# KiCad board Riptide.kicad_pcb (continued)
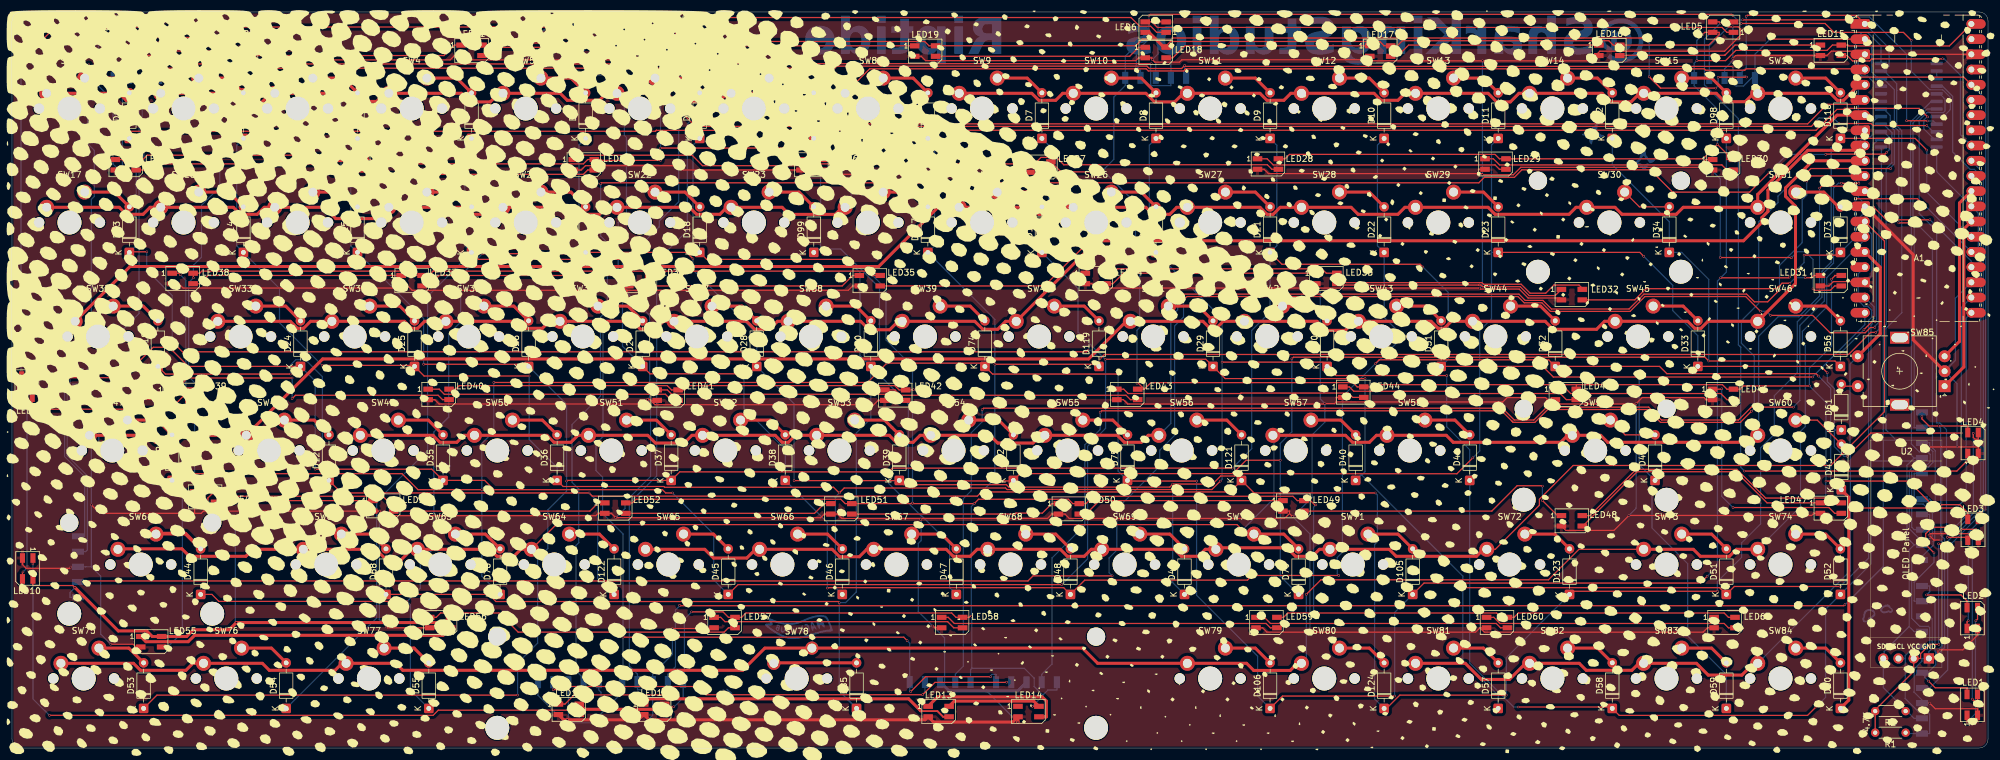
[diagram p0: board, top side]
## Footprints (pads in the part's own frame, mm; a bottom-side part is the same pattern mirrored in y, then rotated) (continued)
  round 2.2 hole 1.5: 1(2.54,5.08) 2(-3.81,2.54)
SW_Cherry_MX_PCB_1.00u
  round 1.75 hole 1.75 unplated: (-5.08,0) (5.08,0)
  round 4 hole 4 unplated: (0,0)
  round 2.5 hole 1.5: 1(-3.81,2.54) 2(2.54,5.08)
SW_Cherry_MX_PCB_1.25u
  round 1.75 hole 1.75 unplated: (-5.08,0) (5.08,0)
  round 4 hole 4 unplated: (0,0)
  round 2.5 hole 1.5: 1(-3.81,2.54) 2(2.54,5.08)
SW_Cherry_MX_PCB_1.50u
  round 1.75 hole 1.75 unplated: (-5.08,0) (5.08,0)
  round 4 hole 4 unplated: (0,0)
  round 2.5 hole 1.5: 1(-3.81,2.54) 2(2.54,5.08)
SW_Cherry_MX_PCB_1.75u
  round 1.75 hole 1.75 unplated: (-5.08,0) (5.08,0)
  round 4 hole 4 unplated: (0,0)
  round 2.5 hole 1.5: 1(-3.81,2.54) 2(2.54,5.08)
SW_Cherry_MX_PCB_2.00u
  round 3.048 hole 3.048 unplated: (-11.938,6.985) (11.938,6.985)
  round 3.988 hole 3.988 unplated: (-11.938,-8.225) (11.938,-8.225)
  round 1.75 hole 1.75 unplated: (-5.08,0) (5.08,0)
  round 4 hole 4 unplated: (0,0)
  round 2.5 hole 1.5: 1(-3.81,2.54) 2(2.54,5.08)
SW_Cherry_MX_PCB_2.25u
  round 3.048 hole 3.048 unplated: (-11.938,6.985) (11.938,6.985)
  round 3.988 hole 3.988 unplated: (-11.938,-8.225) (11.938,-8.225)
  round 1.75 hole 1.75 unplated: (-5.08,0) (5.08,0)
  round 4 hole 4 unplated: (0,0)
  round 2.5 hole 1.5: 1(-3.81,2.54) 2(2.54,5.08)

## Nets
+3.3V: A1.36 R1.2 R2.2 U1.24 U2.2
+5V: A1.40 H1.1 H2.1 H3.1 H4.1 H5.1 H6.1 H7.1 H8.1 H9.1 H10.1 H11.1 H12.1 H13.1 H14.1 LED1.4 LED2.4 LED3.4 LED4.4 LED5.4 LED6.4 LED7.4 LED8.4 LED9.4 LED10.4 LED11.4 LED12.4 LED13.4 LED14.4 LED15.4 LED16.4 LED17.4 LED18.4 LED19.4 LED20.4 LED21.4 LED22.4 LED23.4 LED24.4 LED25.4 LED26.4 LED27.4 LED28.4 LED29.4 LED30.4 LED31.4 LED32.4 LED33.4 LED34.4 LED35.4 LED36.4 LED37.4 LED38.4 LED39.4 LED40.4 LED41.4 LED42.4 LED43.4 LED44.4 LED45.4 LED46.4 LED47.4 LED48.4 LED49.4 LED50.4 LED51.4 LED52.4 LED53.4 LED54.4 LED55.4 LED56.4 LED57.4 LED58.4 LED59.4 LED60.4 LED61.4
GND: A1.3 A1.8 A1.13 A1.18 A1.23 A1.28 A1.38 H1.3 H2.3 H3.3 H4.3 H5.3 H6.3 H7.3 H8.3 H9.3 H10.3 H11.3 H12.3 H13.3 H14.3 LED1.2 LED2.2 LED3.2 LED4.2 LED5.2 LED6.2 LED7.2 LED8.2 LED9.2 LED10.2 LED11.2 LED12.2 LED13.2 LED14.2 LED15.2 LED16.2 LED17.2 LED18.2 LED19.2 LED20.2 LED21.2 LED22.2 LED23.2 LED24.2 LED25.2 LED26.2 LED27.2 LED28.2 LED29.2 LED30.2 LED31.2 LED32.2 LED33.2 LED34.2 LED35.2 LED36.2 LED37.2 LED38.2 LED39.2 LED40.2 LED41.2 LED42.2 LED43.2 LED44.2 LED45.2 LED46.2 LED47.2 LED48.2 LED49.2 LED50.2 LED51.2 LED52.2 LED53.2 LED54.2 LED55.2 LED56.2 LED57.2 LED58.2 LED59.2 LED60.2 LED61.2 SW85.C U1.2 U1.3 U1.12 U1.21 U2.1
Column 0: A1.4 SW1.1 SW2.1 SW3.1 SW4.1 SW5.1 SW6.1 SW7.1 SW8.1
Column 1: A1.5 SW9.1 SW10.1 SW11.1 SW12.1 SW13.1 SW14.1 SW15.1 SW16.1
Column 2: A1.6 SW17.1 SW18.1 SW19.1 SW20.1 SW21.1 SW22.1 SW23.1 SW24.1
Column 3: A1.7 SW25.1 SW26.1 SW27.1 SW28.1 SW29.1 SW30.1 SW31.1 SW32.1
Column 4: A1.9 SW33.1 SW34.1 SW35.1 SW36.1 SW37.1 SW38.1 SW39.1 SW40.1
Column 5: A1.10 SW41.1 SW42.1 SW43.1 SW44.1 SW45.1 SW46.1 SW47.1 SW48.1
Column 6: A1.11 SW49.1 SW50.1 SW51.1 SW52.1 SW53.1 SW54.1 SW55.1 SW56.1
Column 7: A1.12 SW57.1 SW58.1 SW59.1 SW60.1 SW61.1 SW62.1 SW63.1 SW64.1
Column 8: A1.14 SW65.1 SW66.1 SW67.1 SW68.1 SW69.1 SW70.1 SW71.1 SW72.1
Column 9: A1.15 SW73.1 SW74.1 SW75.1 SW76.1 SW77.1 SW78.1 SW79.1 SW80.1
Column 10: A1.16 SW81.1 SW82.1 SW83.1 SW84.1 SW85.S1
EN 1: H1.2 U1.4
EN 2: H2.2 U1.5
EN 3: H3.2 U1.6
EN 4: H4.2 U1.7
EN 5: H5.2 U1.8
EN 6: H6.2 U1.9
EN 7: H7.2 U1.10
EN 8: H8.2 U1.11
EN 9: H9.2 U1.13
EN 10: H10.2 U1.14
EN 11: H11.2 U1.15
EN 12: H12.2 U1.16
EN 13: H13.2 U1.17
EN 14: H14.2 U1.18
Encoder A: A1.27 SW85.A
Encoder B: A1.29 SW85.B
Encoder SW 2: D61.2 SW85.S2
LED Glow Data: A1.32 LED15.3
LED Indicator Data: A1.31 LED1.3
Row 0: A1.17 D1.1 D7.1 D13.1 D19.1 D24.1 D29.1 D35.1 D40.1 D45.1 D51.1 D57.1
Row 1: A1.19 D2.1 D8.1 D14.1 D20.1 D25.1 D30.1 D36.1 D41.1 D46.1 D52.1 D58.1
Row 2: A1.20 D3.1 D9.1 D15.1 D21.1 D26.1 D31.1 D37.1 D42.1 D47.1 D53.1 D59.1
Row 3: A1.21 D4.1 D10.1 D16.1 D22.1 D27.1 D32.1 D38.1 D43.1 D48.1 D54.1 D60.1
Row 4: A1.22 D5.1 D11.1 D17.1 D23.1 D28.1 D33.1 D39.1 D44.1 D49.1 D55.1 D61.1
Row 5: A1.24 D6.1 D12.1 D18.1 D34.1 D50.1 D56.1 D62.1 D68.1 D79.1 D85.1
Row 6: A1.25 D73.1 D74.1 D75.1 D76.1 D97.1 D98.1 D99.1 D102.1 D105.1 D106.1
Row 7: A1.26 D115.1 D116.1 D117.1 D118.1 D119.1 D120.1 D121.1 D122.1 D123.1 D124.1
SCL: A1.2 H1.5 H2.5 H3.5 H4.5 H5.5 H6.5 H7.5 H8.5 H9.5 H10.5 H11.5 H12.5 H13.5 H14.5 R1.1 U1.22 U2.3
SDA: A1.1 H1.4 H2.4 H3.4 H4.4 H5.4 H6.4 H7.4 H8.4 H9.4 H10.4 H11.4 H12.4 H13.4 H14.4 R2.1 U1.23 U2.4
Net-(D1-A): D1.2 SW1.2
Net-(D2-A): D2.2 SW2.2
Net-(D3-A): D3.2 SW3.2
Net-(D4-A): D4.2 SW4.2
Net-(D5-A): D5.2 SW5.2
Net-(D6-A): D6.2 SW6.2
Net-(D7-A): D7.2 SW9.2
Net-(D8-A): D8.2 SW10.2
Net-(D9-A): D9.2 SW11.2
Net-(D10-A): D10.2 SW12.2
Net-(D11-A): D11.2 SW13.2
Net-(D12-A): D12.2 SW14.2
Net-(D13-A): D13.2 SW17.2
Net-(D14-A): D14.2 SW18.2
Net-(D15-A): D15.2 SW19.2
Net-(D16-A): D16.2 SW20.2
Net-(D17-A): D17.2 SW21.2
Net-(D18-A): D18.2 SW22.2
Net-(D19-A): D19.2 SW25.2
Net-(D20-A): D20.2 SW26.2
Net-(D21-A): D21.2 SW27.2
Net-(D22-A): D22.2 SW28.2
Net-(D23-A): D23.2 SW29.2
Net-(D24-A): D24.2 SW33.2
Net-(D25-A): D25.2 SW34.2
Net-(D26-A): D26.2 SW35.2
Net-(D27-A): D27.2 SW36.2
Net-(D28-A): D28.2 SW37.2
Net-(D29-A): D29.2 SW41.2
Net-(D30-A): D30.2 SW42.2
Net-(D31-A): D31.2 SW43.2
Net-(D32-A): D32.2 SW44.2
Net-(D33-A): D33.2 SW45.2
Net-(D34-A): D34.2 SW30.2
Net-(D35-A): D35.2 SW49.2
Net-(D36-A): D36.2 SW50.2
Net-(D37-A): D37.2 SW51.2
Net-(D38-A): D38.2 SW52.2
Net-(D39-A): D39.2 SW53.2
Net-(D40-A): D40.2 SW57.2
Net-(D41-A): D41.2 SW58.2
Net-(D42-A): D42.2 SW59.2
Net-(D43-A): D43.2 SW60.2
Net-(D44-A): D44.2 SW61.2
Net-(D45-A): D45.2 SW65.2
Net-(D46-A): D46.2 SW66.2
Net-(D47-A): D47.2 SW67.2
Net-(D48-A): D48.2 SW68.2
Net-(D49-A): D49.2 SW69.2
Net-(D50-A): D50.2 SW38.2
Net-(D51-A): D51.2 SW73.2
Net-(D52-A): D52.2 SW74.2
Net-(D53-A): D53.2 SW75.2
Net-(D54-A): D54.2 SW76.2
Net-(D55-A): D55.2 SW77.2
Net-(D56-A): D56.2 SW46.2
Net-(D57-A): D57.2 SW81.2
Net-(D58-A): D58.2 SW82.2
Net-(D59-A): D59.2 SW83.2
Net-(D60-A): D60.2 SW84.2
Net-(D62-A): D62.2 SW54.2
Net-(D68-A): D68.2 SW62.2
Net-(D73-A): D73.2 SW31.2
Net-(D74-A): D74.2 SW39.2
Net-(D75-A): D75.2 SW55.2
Net-(D76-A): D76.2 SW63.2
Net-(D79-A): D79.2 SW70.2
Net-(D85-A): D85.2 SW78.2
Net-(D97-A): D97.2 SW7.2
Net-(D98-A): D98.2 SW15.2
Net-(D99-A): D99.2 SW23.2
Net-(D102-A): D102.2 SW47.2
Net-(D105-A): D105.2 SW71.2
Net-(D106-A): D106.2 SW79.2
Net-(D115-A): D115.2 SW8.2
Net-(D116-A): D116.2 SW16.2
Net-(D117-A): D117.2 SW24.2
Net-(D118-A): D118.2 SW32.2
Net-(D119-A): D119.2 SW40.2
Net-(D120-A): D120.2 SW48.2
Net-(D121-A): D121.2 SW56.2
Net-(D122-A): D122.2 SW64.2
Net-(D123-A): D123.2 SW72.2
Net-(D124-A): D124.2 SW80.2
Net-(LED1-DOUT): LED1.1 LED2.3
Net-(LED2-DOUT): LED2.1 LED3.3
Net-(LED3-DOUT): LED3.1 LED4.3
Net-(LED4-DOUT): LED4.1 LED5.3
Net-(LED5-DOUT): LED5.1 LED6.3
Net-(LED6-DOUT): LED6.1 LED7.3
Net-(LED7-DOUT): LED7.1 LED8.3
Net-(LED8-DOUT): LED8.1 LED9.3
Net-(LED10-DIN): LED9.1 LED10.3
Net-(LED10-DOUT): LED10.1 LED11.3
Net-(LED11-DOUT): LED11.1 LED12.3
Net-(LED12-DOUT): LED12.1 LED13.3
Net-(LED13-DOUT): LED13.1 LED14.3
Net-(LED15-DOUT): LED15.1 LED16.3
Net-(LED16-DOUT): LED16.1 LED17.3
Net-(LED17-DOUT): LED17.1 LED18.3
Net-(LED18-DOUT): LED18.1 LED19.3
Net-(LED19-DOUT): LED19.1 LED20.3
Net-(LED20-DOUT): LED20.1 LED21.3
Net-(LED21-DOUT): LED21.1 LED22.3
Net-(LED22-DOUT): LED22.1 LED23.3
Net-(LED23-DOUT): LED23.1 LED24.3
Net-(LED24-DOUT): LED24.1 LED25.3
Net-(LED25-DOUT): LED25.1 LED26.3
Net-(LED26-DOUT): LED26.1 LED27.3
Net-(LED27-DOUT): LED27.1 LED28.3
Net-(LED28-DOUT): LED28.1 LED29.3
Net-(LED29-DOUT): LED29.1 LED30.3
Net-(LED30-DOUT): LED30.1 LED31.3
Net-(LED31-DOUT): LED31.1 LED32.3
Net-(LED32-DOUT): LED32.1 LED33.3
Net-(LED33-DOUT): LED33.1 LED34.3
Net-(LED34-DOUT): LED34.1 LED35.3
Net-(LED35-DOUT): LED35.1 LED36.3
Net-(LED36-DOUT): LED36.1 LED37.3
Net-(LED37-DOUT): LED37.1 LED38.3
Net-(LED38-DOUT): LED38.1 LED39.3
Net-(LED39-DOUT): LED39.1 LED40.3
Net-(LED40-DOUT): LED40.1 LED41.3
Net-(LED41-DOUT): LED41.1 LED42.3
Net-(LED42-DOUT): LED42.1 LED43.3
Net-(LED43-DOUT): LED43.1 LED44.3
Net-(LED44-DOUT): LED44.1 LED45.3
Net-(LED45-DOUT): LED45.1 LED46.3
Net-(LED46-DOUT): LED46.1 LED47.3
Net-(LED47-DOUT): LED47.1 LED48.3
Net-(LED48-DOUT): LED48.1 LED49.3
Net-(LED49-DOUT): LED49.1 LED50.3
Net-(LED50-DOUT): LED50.1 LED51.3
Net-(LED51-DOUT): LED51.1 LED52.3
Net-(LED52-DOUT): LED52.1 LED53.3
Net-(LED53-DOUT): LED53.1 LED54.3
Net-(LED54-DOUT): LED54.1 LED55.3
Net-(LED55-DOUT): LED55.1 LED56.3
Net-(LED56-DOUT): LED56.1 LED57.3
Net-(LED57-DOUT): LED57.1 LED58.3
Net-(LED58-DOUT): LED58.1 LED59.3
Net-(LED59-DOUT): LED59.1 LED60.3
Net-(LED60-DOUT): LED60.1 LED61.3

Pads without a net: A1 30 33 34 35 37 39; LED14 1; LED61 1; SW85 MP; U1 1 19 20

## Via types
v1: diameter 0.4, hole 0.3, Top to Bottom, 272 vias

## Routing (per net, layer and track width the routed paths; a pad name or vN(x,y) marks a point on that pad's centre or on a via; arc(x,y) is an arc through that point)
+3.3V: length 158.8
  Top w0.2: v1(321.79,17.32) 320.29,17.32 318.73,15.76 318.73,14.97 U2.2 317.58,12.79 311.16,6.37 R2.2 311.16,2.77 ; v1(307.87,112.11) 325.94,112.11 A1.36 A1.36 ; v1(321.74,34.13) 321.76,34.11 v1(323.76,34.11)
  Bottom w0.2: v1(307.87,112.11) 307.87,118.48 308.96,119.57 309.88,119.57 312.12,117.33 U1.24 ; R1.2 R2.2 ; A1.36 329.61,108.44 329.61,39.89 323.83,34.11 v1(323.76,34.11) ; v1(321.74,34.13) 321.74,17.37 v1(321.79,17.32)
+5V: length 1873.8
  Top w0.2: v1(320.06,11.19) 321.18,10.07 326.5,10.07 LED1.4 ; LED28.4 212.6,98.47 213.33,99.19 247.67,99.19 248.4,98.47 LED29.4 282.41,98.47 v1(284.81,100.87) 286.4,99.27 286.4,98.34 LED30.4 ; LED27.4 175.19,96.28 v1(181.91,96.28) ; LED21.4 79.6,117.47 79.95,117.82 109.35,117.82 v1(110.3,118.77) 111,119.47 112.62,119.47 LED7.4 ; LED43.4 189.1,59.97 ; 189.1,59.97 190.2,61.07 223.92,61.07 224.65,60.34 LED44.4 226.85,60.34 227.23,60.72 261.33,60.72 ; 189.1,59.97 188.12,60.95 v1(187.88,60.95) ; LED36.4 107.6,78.97 107.6,79.69 ; v1(320.65,40.67) 316.72,44.61 v1(302.94,44.61) ; v1(320.65,40.67) 320.69,40.64 v1(322.08,40.64) ; v1(320.65,40.67) 325.27,40.67 326.62,39.32 LED3.4 ; LED4.4 326.62,53.82 v1(321.71,53.82) 320.14,53.82 318.96,55 v1(318.96,55.37) ; 116.25,117.34 116.5,117.09 116.8,117.09 ; LED22.4 38.9,117.47 37.62,118.74 19.33,118.74 18.6,119.47 LED8.4 v1(16.4,119.47) ; v1(150.56,59.89) 150.4,59.89 150.35,59.84 LED42.4 148.15,59.84 147.42,60.57 113.08,60.57 112.35,59.84 LED41.4 110.15,59.84 109.42,60.57 74.7,60.57 74.1,59.97 LED40.4 ; v1(282.39,119.28) 282.7,119.59 LED5.4 285.1,119.59 285.1,119.21 283.36,117.47 LED16.4 267.4,117.47 266.67,118.19 232.2,118.19 231.35,117.34 LED17.4 229.15,117.34 228.42,118.07 193.48,118.07 192.75,117.34 LED18.4 ; v1(19.65,98.34) LED23.4 21.85,98.34 22.58,99.07 v1(34.71,99.07) 56.92,99.07 57.65,98.34 LED24.4 59.85,98.34 60.58,97.62 95.42,97.62 96.15,98.34 LED25.4 98.35,98.34 98.5,98.19 v1(108.31,98.19) ; v1(217.75,40.63) 217.57,40.63 216.85,41.34 LED49.4 214.65,41.34 213.92,42.07 180.58,42.07 179.35,40.84 LED50.4 177.15,40.84 176.42,41.57 161.42,41.57 v1(160.69,40.84) 150.38,40.84 ; LED10.4 3.5,27.15 10.17,27.15 v1(10.52,26.81) ; v1(108.31,100.25) 132.24,100.25 134.15,98.34 LED26.4 ; LED53.4 62.65,41.34 61.92,42.07 36.2,42.07 35.43,42.84 LED54.4 33.77,42.84 32.7,41.77 v1(32.7,41.37) ; LED48.4 263.51,38.84 271.24,46.57 288.07,46.57 292.86,41.77 v1(302.93,41.77) 303,41.69 303.67,41.69 304.4,40.97 LED47.4 ; 150.38,40.84 v1(150.38,40.94) ; 150.38,40.84 LED51.4 139.15,40.84 138.42,41.57 104.2,41.57 103.6,40.97 LED52.4 ; v1(281.37,114.88) 286.18,114.88 287.88,116.58 303.12,116.58 304.01,117.47 LED15.4 306.6,117.47 306.74,117.33 323.54,117.33 A1.40 A1.40 ; 107.6,79.69 70.33,79.69 69.6,78.97 LED37.4 67.4,78.97 66.67,79.69 31.7,79.69 31.35,79.34 LED38.4 30.3,79.29 v1(30.3,78.57) ; 107.6,79.69 143,79.69 v1(143.69,79) 143.87,79 143.9,78.97 LED35.4 ; LED32.4 262.25,76.82 261.7,77.37 257.5,77.37 256.13,76 253.53,76 252.03,77.5 245.75,77.5 245.48,77.77 245.07,77.77 222.82,77.77 222.35,78.24 222.35,78.32 222.27,78.32 LED33.4 219.49,79.34 218.75,80.08 v1(187.55,80.08) 184.59,80.08 183.85,79.34 LED34.4 ; 116.8,117.09 117.35,117.09 118.33,118.07 152.42,118.07 153.15,117.34 LED19.4 155.35,117.34 155.36,117.36 v1(187.67,117.36) 188.8,118.48 190.98,118.48 ; 116.8,117.09 LED20.4 ; v1(113.5,22.75) 118.74,22.75 119.65,21.84 LED57.4 121.85,21.84 122.58,22.57 156.92,22.57 157.65,21.84 LED58.4 159.85,21.84 160.02,22.01 v1(160.29,22.01) ; LED45.4 261.25,60.64 261.33,60.72 ; 261.33,60.72 285.64,60.72 286.4,59.97 LED46.4 288.6,59.97 289.14,60.51 v1(300.17,60.51) ; LED31.4 304.4,78.97 304.4,78.89 v1(303.86,78.35) ; LED9.4 3.38,57.54 4.3,56.62 v1(10.84,56.62) 26.43,56.62 28.61,58.8 28.61,59.81 28.65,59.84 LED39.4 v1(30.85,59.84) ; LED59.4 212.35,21.84 213.08,22.57 v1(217.89,22.57) 247.92,22.57 248.65,21.84 LED60.4 250.85,21.84 251.58,22.57 285.92,22.57 286.65,21.84 LED61.4 ; v1(170.4,6.97) LED14.4 ; LED2.4 326.5,24.57 325.49,25.58 v1(319.74,25.58) ; v1(110.5,6.91) 108.56,6.91
  Top w0.5: 116.25,117.34 115.62,117.34 113.38,119.59 LED7.4 ; LED11.4 95.62,6.47 v1(98.36,6.47) 108.12,6.47 108.56,6.91 LED12.4 ; LED6.4 189.88,119.59 190.98,118.48 192.12,117.34 192.75,117.34 ; v1(10.52,26.81) 17.76,19.57 22.5,19.57 23.42,18.64 LED55.4 29.17,18.64 30.3,19.77 36.27,19.77 v1(37.47,20.97) 72.38,20.97 LED56.4 ; LED14.4 170.62,7.84 157.38,7.84 LED13.4
  Bottom w0.2: v1(110.5,6.91) 110.6,6.91 112.08,8.39 H12.1 112.08,12.34 112.29,12.55 112.29,21.54 v1(113.5,22.75) ; 160.29,13.32 v1(160.29,22.01) 160.21,22.09 160.21,40.36 v1(160.69,40.84) ; 160.29,13.32 169.08,13.32 170.71,11.69 170.71,10.3 172.15,8.86 ; 160.29,13.32 160.08,13.11 H13.1 ; v1(150.38,40.94) 150.38,59.89 ; 150.38,59.89 v1(150.56,59.89) ; 150.38,59.89 150.38,63.76 145.97,68.18 145.97,76.73 v1(143.69,79) ; v1(284.81,100.87) 284.81,106.77 280.92,110.66 H5.1 280.92,114.42 v1(281.37,114.88) 281.37,118.26 v1(282.39,119.28) ; 182.17,96.54 187.63,91.08 187.63,80.16 v1(187.55,80.08) 188.34,79.29 188.34,70.29 187.88,69.84 v1(187.88,60.95) ; 182.17,96.54 v1(181.91,96.28) ; 182.17,96.54 184.01,98.38 184.01,108.78 185.92,110.69 H6.1 185.92,115.61 v1(187.67,117.36) ; v1(16.4,119.47) 14.42,117.49 H8.1 14.42,110.66 16.87,108.21 16.87,97.6 18.74,95.73 19.17,95.73 19.42,95.98 19.42,98.12 v1(19.65,98.34) ; v1(320.06,11.19) 319.45,11.8 319.45,12.09 ; v1(170.4,6.97) 172.1,8.67 172.1,8.81 172.15,8.86 ; v1(108.31,98.19) v1(108.31,100.25) 108.31,109.58 109.42,110.69 H7.1 109.42,113.3 110.3,114.18 v1(110.3,118.77) ; v1(320.65,40.67) 320.65,41.19 320.26,41.58 319.51,41.58 ; 172.15,8.86 172.99,9.7 174.5,9.7 H14.1 ; v1(10.52,26.81) 9.7,26 9.7,25.21 H10.1 ; 319.45,12.09 H1.1 ; 319.45,12.09 321.28,13.93 321.28,15.88 ; 319.8,25.65 320.26,26.11 320.26,27.08 319.51,27.08 ; 319.8,25.65 v1(319.74,25.58) ; 319.8,25.65 321.14,24.31 321.14,16.2 321.28,16.06 321.28,15.88 ; v1(302.93,41.77) 302.93,41.86 302.9,41.89 302.9,44.57 v1(302.94,44.61) 302.94,57.73 v1(300.17,60.51) 300.17,63.46 303.86,67.15 v1(303.86,78.35) ; v1(217.75,40.63) 217.36,40.24 217.36,23.09 v1(217.89,22.57) ; v1(318.96,55.37) H4.1 ; H9.1 9.7,55.35 9.7,56.05 10.27,56.62 v1(10.84,56.62) ; v1(34.71,99.07) 34.71,93.75 31.65,90.69 31.65,82.03 30.3,80.68 v1(30.3,78.57) 29.5,77.77 29.5,62.06 30.85,60.71 v1(30.85,59.84) 30.5,59.49 30.5,43.57 v1(32.7,41.37) 37.3,36.77 37.3,21.14 v1(37.47,20.97) ; 319.51,27.08 318.96,27.08 H2.1 319.51,27.08 ; v1(321.71,53.82) 322.08,53.45 v1(322.08,40.64) 322.08,35.6 322.74,34.94 322.74,16.79 321.84,15.88 321.28,15.88 ; H11.1 98,9.7 98.36,9.33 v1(98.36,6.47) ; 319.51,41.58 H3.1 319.51,41.58
GND: length 1986.8
  Top w0.2: LED5.2 286.4,121.34 286.4,120.72 286.61,120.51 v1(287.39,120.51) 288.28,120.51 288.62,120.18 288.62,119.05 286.01,116.44 265.18,116.44 264.45,115.72 ; v1(19.79,121.29) 19.86,121.22 LED8.2 ; LED35.2 140.4,77.22 139.67,76.49 102.7,76.49 ; 244.9,95.99 244.9,96.72 LED29.2 ; 244.9,95.99 245.57,95.99 v1(245.57,95.79) 250.72,95.79 251.98,97.04 283.55,97.04 LED30.2 ; 244.9,95.99 209.83,95.99 209.1,96.72 LED28.2 ; LED31.2 303.43,77.22 304.16,77.94 308.51,77.94 A1.18 A1.18 ; v1(114.5,116.15) 114.5,116.15 113.69,115.34 LED20.2 111.65,115.34 111.3,114.99 74.62,114.99 73.9,115.72 ; 151.78,38.37 172.92,38.37 173.65,39.09 LED50.2 175.85,39.09 176.58,38.37 212.53,38.37 213.35,39.19 ; 151.78,38.37 v1(151.78,38.24) ; 151.78,38.37 138.58,38.37 137.85,39.09 LED51.2 135.65,39.09 135.05,38.49 v1(100.83,38.49) 100.1,39.22 LED52.2 97.9,39.22 97.51,38.83 62.17,38.83 v1(61.4,39.59) LED53.2 31.98,39.59 31.6,39.22 30.5,39.22 ; v1(153.76,20.39) 153.85,20.39 154.15,20.09 LED58.2 ; LED1.2 328.25,6.57 321.19,6.57 v1(320.26,7.5) ; LED23.2 17.83,97.17 v1(18.45,97.17) ; 264.45,115.72 263.9,115.72 263.02,114.84 v1(245.57,114.84) 225.82,114.84 225.65,115.02 ; 264.45,115.72 LED16.2 ; v1(54.04,96.62) 54.07,96.59 LED24.2 ; U2.1 321.27,14.97 321.64,15.34 v1(321.64,16.4) 325.79,16.4 328.25,18.87 LED2.2 ; LED54.2 30.5,39.22 ; 30.5,39.22 14.67,39.22 v1(13.25,40.64) ; 221.15,57.83 221.15,58.59 LED44.2 ; 221.15,57.83 220.87,57.55 v1(219.25,57.55) 219.19,57.49 186.33,57.49 185.6,58.22 LED43.2 ; 221.15,57.83 248.97,57.83 249.7,58.57 256.1,58.57 256.45,58.22 LED45.2 258.48,57.49 271.17,57.49 v1(271.23,57.55) 272.25,58.57 282.55,58.57 282.9,58.22 LED46.2 ; v1(217.7,76.87) v1(245.11,76.87) 245.27,76.7 251.7,76.7 253.2,75.2 258.44,75.2 LED32.2 ; v1(217.7,76.87) 181.08,76.87 180.35,77.59 LED34.2 ; v1(217.7,76.87) 217.75,76.92 LED33.2 ; v1(320.22,50.29) 320.25,50.32 v1(324.83,50.32) 328.38,50.32 LED4.2 ; A1.8 A1.8 ; v1(213.89,38.65) 213.35,39.19 ; 213.35,39.19 213.35,39.59 LED49.2 ; A1.13 309.45,89.7 310.25,89.7 ; 225.65,115.02 195.37,115.02 194.97,114.62 190.88,114.62 v1(190.46,115.04) 190.35,115.14 190.35,115.34 LED18.2 188.15,115.34 187.67,114.87 152.58,114.87 151.85,115.59 LED19.2 ; 225.65,115.02 225.65,115.59 LED17.2 ; 245.15,20.09 245.88,19.37 282.42,19.37 283.15,20.09 LED61.2 ; 245.15,20.09 LED60.2 ; 245.15,20.09 244.42,19.37 v1(216.76,19.37) 209.58,19.37 208.85,20.09 LED59.2 ; v1(191.4,121.17) 191.47,121.17 191.65,121.34 LED6.2 ; LED36.2 101.9,77.22 ; 101.9,77.22 102.62,76.49 102.7,76.49 ; 101.9,77.22 101.17,76.49 66.83,76.49 66.1,77.22 LED37.2 63.9,77.22 63.55,76.87 28.58,76.87 27.85,77.59 LED38.2 ; v1(110.3,19.97) 117.12,19.97 LED57.2 ; v1(19.35,114.72) 20.34,115.72 LED22.2 37.6,115.72 38.33,114.99 v1(56.59,114.99) 73.17,114.99 73.9,115.72 ; v1(167.99,4.33) 167.83,4.33 ; LED47.2 300.9,39.22 300.55,38.87 v1(270.04,38.87) 267.54,36.37 259.48,36.37 LED48.2 ; 102.7,76.49 v1(102.7,76.1) ; v1(16.5,17.35) 20.22,17.35 20.68,16.89 LED55.2 ; 106.65,58.09 107.38,57.37 143.92,57.37 144.65,58.09 LED42.2 ; 106.65,58.09 106.47,58.27 v1(106.14,58.27) 105.36,57.49 71.33,57.49 70.6,58.22 LED40.2 ; 106.65,58.09 LED41.2 ; v1(62.56,20.24) 62.71,20.09 LED56.2 ; LED25.2 95.05,96.59 95.78,97.32 v1(111.34,97.32) 112.07,96.59 LED26.2 132.85,96.59 133.58,95.87 168.55,95.87 168.9,96.22 LED27.2 ; LED21.2 73.9,115.72 ; A1.23 A1.23 ; v1(321.99,34.76) 320.96,34.76 v1(320.14,35.59) 320.37,35.82 328.38,35.82 LED3.2 ; LED9.2 1.62,61.04 1.57,61.04 0.9,60.37 0.9,57.72 1.07,57.54 2.18,57.54 2.35,57.72 2.35,59.28 2.86,59.79 11.43,59.79 v1(12.91,58.31) 24.93,58.31 25.15,58.09 LED39.2 ; A1.28 A1.28 ; A1.38 A1.38 A1.3 A1.3 308.11,116.44 303.83,116.44 303.1,115.72 LED15.2 287.84,115.72 v1(287.39,115.27) ; v1(117.35,121.34) LED7.2 ; LED10.2 1.75,30.65 2.37,30.03 9.63,30.03 v1(9.83,30.24)
  Top w0.5: v1(167.99,4.33) 168,4.35 LED14.2 167.12,4.34 153.88,4.34 LED13.2 152.5,4.72 106.38,4.72 v1(106.31,4.79) LED12.2 104.62,4.72 v1(92.72,4.72) 92.13,4.72 LED11.2 ; A1.13 310.25,89.7 317.5,82.45 317.5,68.22 SW85.C
  Bottom w0.2: v1(245.11,76.87) 245.57,77.32 v1(245.57,95.79) v1(245.57,114.84) ; 319.61,7.5 319.48,7.5 317.66,9.32 317.66,13.22 318.97,14.52 318.97,14.97 U2.1 320.12,16.12 320.67,16.67 320.67,21.6 320.26,22 319.51,22 ; 319.61,7.5 v1(320.26,7.5) ; 319.61,7.5 319.29,7.5 ; v1(321.64,16.4) 322.33,17.09 322.33,34.42 v1(321.99,34.76) ; v1(151.78,38.24) 151.83,38.18 151.83,34.66 151.34,34.17 151.34,22.81 v1(153.76,20.39) 155.74,18.41 155.74,10.29 ; v1(191.4,121.17) 191.4,115.98 v1(190.46,115.04) 191,114.49 H6.3 ; v1(216.76,19.37) 216.76,35.79 v1(213.89,38.65) 217.12,41.87 217.12,52.32 219.25,54.45 v1(219.25,57.55) 218.48,58.32 218.48,76.19 217.8,76.87 v1(217.7,76.87) ; v1(117.35,121.34) 117.14,121.34 114.5,118.7 v1(114.5,116.15) H7.3 114.5,110.69 114.4,110.69 112.44,108.74 112.44,106.02 111.34,104.93 v1(111.34,97.32) 111.34,91.29 108.09,88.04 108.09,87.09 102.7,81.69 v1(102.7,76.1) 106.5,72.3 106.5,58.63 v1(106.14,58.27) 106.64,57.77 106.64,45.38 102.38,41.12 102.38,40.04 v1(100.83,38.49) ; 319.51,22 318.96,22 H2.3 319.51,22 ; v1(324.83,50.32) 324.83,60.88 SW85.C 324.55,64.77 324.55,75.16 A1.23 328.38,78.99 328.38,89.35 A1.28 321.43,96.31 U1.12 ; H11.3 92.92,4.92 v1(92.72,4.72) ; 13.25,30.29 H10.3 9.88,30.29 v1(9.83,30.24) ; 13.25,30.29 14.82,28.72 14.82,19.03 v1(16.5,17.35) ; 13.25,30.29 v1(13.25,40.64) 13.25,49.93 14.5,51.18 14.5,56.72 v1(12.91,58.31) 12.31,58.92 12.31,60.43 H9.3 ; 19.5,112.61 19.35,112.76 v1(19.35,114.72) 18.93,115.14 18.93,120.43 v1(19.79,121.29) ; 19.5,112.61 H8.3 ; 19.5,112.61 18.45,111.56 18.45,104.88 18.58,104.76 18.58,104.02 18.45,103.89 v1(18.45,97.17) ; v1(270.04,38.87) 271.23,40.06 v1(271.23,57.55) ; 320.26,50.28 320.26,51 H4.3 ; v1(56.59,114.99) 54.95,113.35 54.95,97.53 v1(54.04,96.62) ; 287.39,114.88 286,113.49 H5.3 ; 287.39,114.88 v1(287.39,115.27) ; 287.39,114.88 v1(287.39,120.51) ; U1.3 U1.2 ; 319.29,7.5 H1.3 319.29,7.5 ; v1(320.22,50.29) 320.22,50.09 320.78,49.54 320.78,47.7 320.12,47.04 320.07,46.99 318.1,46.99 317.84,46.73 317.82,46.73 317.66,46.57 317.66,46.56 317.26,46.15 317.26,36.9 317.66,36.5 H3.3 320.26,36.5 320.26,35.71 v1(320.14,35.59) ; 308.33,103.22 308.33,111.87 308.37,111.9 308.37,112.32 308.33,112.35 308.33,114.82 A1.3 308.33,114.82 308.33,112.92 308.98,112.28 309.89,112.28 311.58,110.59 U1.21 ; 308.33,103.22 A1.8 ; 308.33,103.22 307.93,102.82 307.93,94.16 308.33,93.76 308.33,92.03 309.44,90.93 A1.13 309.44,89.54 308.33,88.44 308.33,87.52 308.98,86.88 309.56,86.88 310.54,85.9 310.54,78.92 A1.18 ; 162.77,9.55 v1(167.99,4.33) ; v1(110.3,19.97) 110.3,15.64 107,12.34 H12.3 107,5.48 v1(106.31,4.79) ; v1(62.56,20.24) 61.34,21.46 61.34,39.54 v1(61.4,39.59)
  Bottom w0.5: H14.3 167.97,9.55 156.49,9.55 H13.3
Column 0: length 314.1
  Top w0.2: A1.4 A1.4 308.51,113.5 289.61,113.5 289.38,113.27 282.85,113.27 282.62,113.5 196.02,113.5 ; 195.9,113.38 196.02,113.5 ; 195.9,113.38 195.67,113.15 189.77,113.15 189.41,113.5 143.23,113.5 SW8.1 ; 195.9,113.38 196.02,113.5
  Top w0.5: SW8.1 137.37,109.41 136.2,108.24 129.56,108.24 128.39,109.41 SW7.1 119.41,109.41 117.99,107.98 110.76,107.98 109.34,109.41 SW6.1 99.27,109.41 98.1,108.24 92.73,108.24 91.56,109.41 SW5.1 81.31,109.41 79.87,107.97 76.5,107.97 75.06,109.41 SW4.1 62.26,109.41 60.91,108.06 57.36,108.06 56.01,109.41 SW3.1 43.21,109.41 41.27,107.47 38.9,107.47 36.96,109.41 SW2.1 23.07,109.41 21.9,108.24 19.08,108.24 17.91,109.41 SW1.1
Column 1: length 160.5
  Top w0.2: A1.5 A1.5
  Top w0.5: SW9.1 170.31,109.41 171.48,108.24 174.3,108.24 175.47,109.41 SW10.1 189.36,109.41 190.8,107.97 194.17,107.97 195.61,109.41 SW11.1 208.41,109.41 209.58,108.24 212.4,108.24 213.57,109.41 SW12.1 227.46,109.41 228.63,108.24 231.45,108.24 232.62,109.41 SW13.1 246.51,109.41 247.95,107.97 250.23,107.97 251.67,109.41 SW14.1 265.56,109.41 267,107.97 270.37,107.97 271.81,109.41 SW15.1 284.61,109.41 286.01,108.01 289.46,108.01 290.86,109.41 SW16.1 303.66,109.41 304.83,108.24 305.87,108.24 308.47,110.84 A1.5
Column 2: length 326.5
  Top w0.2: v1(140.14,104.6) 140.44,104.3 299.88,104.3 303.15,107.57 307.9,107.57 A1.6 A1.6
  Top w0.5: SW17.1 17.91,90.36 19.08,89.19 21.9,89.19 23.07,90.36 SW18.1 36.96,90.36 38.13,89.19 40.95,89.19 42.12,90.36 SW19.1 52.19,90.36 54.08,88.47 60.37,88.47 62.26,90.36 SW20.1 75.06,90.36 76.23,89.19 79.05,89.19 80.22,90.36 SW21.1 94.11,90.36 95.28,89.19 98.1,89.19 99.27,90.36 SW22.1 113.16,90.36 114.33,89.19 118.22,89.19 119.39,90.36 SW23.1 128.61,90.36 129.79,89.18 137.49,89.18 138.66,90.36 SW24.1
  Bottom w0.2: SW24.1 140.14,91.36 v1(140.14,104.6)
Column 3: length 321.2
  Top w0.2: A1.7 A1.7 ; 263.14,90.44 263.01,90.31
  Top w0.5: A1.7 304.79,105.76 291.54,92.51 SW31.1 279.1,90.36 277.93,89.19 268.87,89.19 267.7,90.36 SW30.1 261.2,90.36 260.03,89.19 247.68,89.19 246.51,90.36 SW29.1 232.62,90.36 231.45,89.19 224.81,89.19 223.64,90.36 SW28.1 211.79,90.36 210.62,89.19 209.58,89.19 208.41,90.36 SW27.1 194.52,90.36 193.35,89.19 190.53,89.19 189.36,90.36 SW26.1 176.39,90.36 175.22,89.19 171.48,89.19 170.31,90.36 SW25.1 154.64,90.36 144.75,80.47 19.71,80.47 SW32.1
Column 4: length 298
  Top w0.2: A1.9 A1.9
  Top w0.5: A1.9 308.63,99.88 299.9,99.88 293.24,93.22 293.24,89.65 292.25,88.66 292.25,87.85 289.17,84.77 181.18,84.77 SW40.1 165.95,71.31 164.61,69.97 162.13,69.97 160.79,71.31 SW39.1 147.99,71.31 146.57,69.89 143.15,69.89 141.74,71.31 SW38.1 127.85,71.31 126.51,69.97 124.03,69.97 122.69,71.31 SW37.1 108.8,71.31 107.46,69.97 104.98,69.97 103.64,71.31 SW36.1 89.75,71.31 88.58,70.14 85.76,70.14 84.59,71.31 SW35.1 68.91,71.31 67.74,70.14 66.71,70.14 65.54,71.31 49.86,71.31 48.69,70.14 47.66,70.14 46.49,71.31 SW33.1
Column 5: length 333.5
  Top w0.5: SW47.1 22.82,52.26 23.99,51.09 27.26,51.09 28.43,52.26 SW48.1 51.89,65.02 179.8,65.02 186.09,71.31 SW41.1 198.89,71.31 200.06,70.14 201.09,70.14 202.26,71.31 SW42.1 217.94,71.31 219.45,69.79 222.68,69.79 224.19,71.31 SW43.1 236.99,71.31 238.16,70.14 239.19,70.14 240.36,71.31 SW44.1 256.04,71.31 257.38,69.97 264.62,69.97 265.96,71.31 SW45.1 279.85,71.31 281.02,70.14 282.06,70.14 283.23,71.31 SW46.1 297.85,77.62 297.85,90.53 296.19,92.19 296.19,93.6 300.73,98.14 A1.10 A1.10
Column 6: length 299.3
  Top w0.2: v1(194.33,74.98) 195.2,75.85 251.67,75.85 252.71,74.8 255.66,74.8 257.09,73.37 270.05,73.37 272.53,75.85 289.69,75.85 290.97,74.57 293.21,74.57 v1(295.17,76.53) ; A1.11 A1.11 300.53,95.6 299.73,94.8 v1(299.73,94.74)
  Top w0.5: SW49.1 70.3,52.26 71.47,51.09 74.29,51.09 75.46,52.26 SW50.1 89.35,52.26 90.52,51.09 93.34,51.09 94.51,52.26 SW51.1 106.17,52.26 107.46,50.97 112.27,50.97 113.56,52.26 SW52.1 127.45,52.26 128.62,51.09 129.66,51.09 130.83,52.26 SW53.1 146.5,52.26 147.67,51.09 150.49,51.09 151.66,52.26 SW54.1 163.32,52.26 164.61,50.97 170.5,50.97 171.79,52.26 SW55.1 184.6,52.26 185.77,51.09 188.59,51.09 189.76,52.26 SW56.1
  Bottom w0.2: v1(295.17,76.53) 295.17,80.66 298.96,84.44 298.96,91.63 299.73,92.4 v1(299.73,94.74) ; v1(194.33,74.98) 194.67,74.64 194.67,73.2 193.54,72.07 193.54,54.27 SW56.1
Column 7: length 352.5
  Top w0.2: 260.19,52.26 260.52,52.26 260.55,52.23 260.66,52.34 ; SW64.1 90.88,37.33 204.59,37.33 v1(205.47,36.45) ; A1.12 A1.12 307.81,93.89 302.19,93.89 v1(301.86,93.57) ; 17.87,33.29 17.74,33.16 ; 17.74,33.16 SW61.1 ; 17.74,33.16 17.69,33.11
  Top w0.5: SW59.1 265.32,52.26 266.49,51.09 290.37,51.09 SW60.1 ; SW59.1 259.79,52.26 ; SW59.1 259.79,52.26 ; 259.79,52.26 258.62,51.09 240.69,51.09 239.52,52.26 SW58.1 227.86,52.26 226.69,51.09 223.87,51.09 222.7,52.26 SW57.1 ; 17.69,33.29 28.38,33.29 29.63,32.04 39.05,32.04 40.22,33.21 SW62.1 60.77,33.21 62.51,31.47 65,31.47 66.74,33.21 SW63.1 79.82,33.21 80.99,32.04 83.81,32.04 84.98,33.21 SW64.1
  Bottom w0.2: SW57.1 210.75,52.09 210.75,41.73 v1(205.47,36.45) ; SW60.1 291.7,52.41 291.7,68.82 294.95,72.07 298.39,72.07 301.86,75.55 v1(301.86,93.57)
Column 8: length 258.5
  Top w0.2: SW72.1 247.71,33.21 255.08,40.57 255.08,41.58 260.72,47.22 303.71,47.22 312.7,56.21 312.7,84.71 A1.14 A1.14
  Top w0.5: SW65.1 115.69,33.21 117.15,31.75 122.72,31.75 124.18,33.21 SW66.1 136.97,33.21 138.21,31.97 141.5,31.97 142.74,33.21 SW67.1 156.02,33.21 157.19,32.04 160.01,32.04 161.19,33.21 SW68.1 175.07,33.21 176.24,32.04 179.06,32.04 180.24,33.21 SW69.1 194.12,33.21 195.29,32.04 198.11,32.04 199.28,33.21 SW70.1 201.05,33.42 201,33.47 212.91,33.47 214.34,32.04 217.16,32.04 218.34,33.21 SW71.1 229.99,33.21 231.16,32.04 244.57,32.04 245.74,33.21 SW72.1
